# Allegro board 8880F5-0825_4.brd (continued)
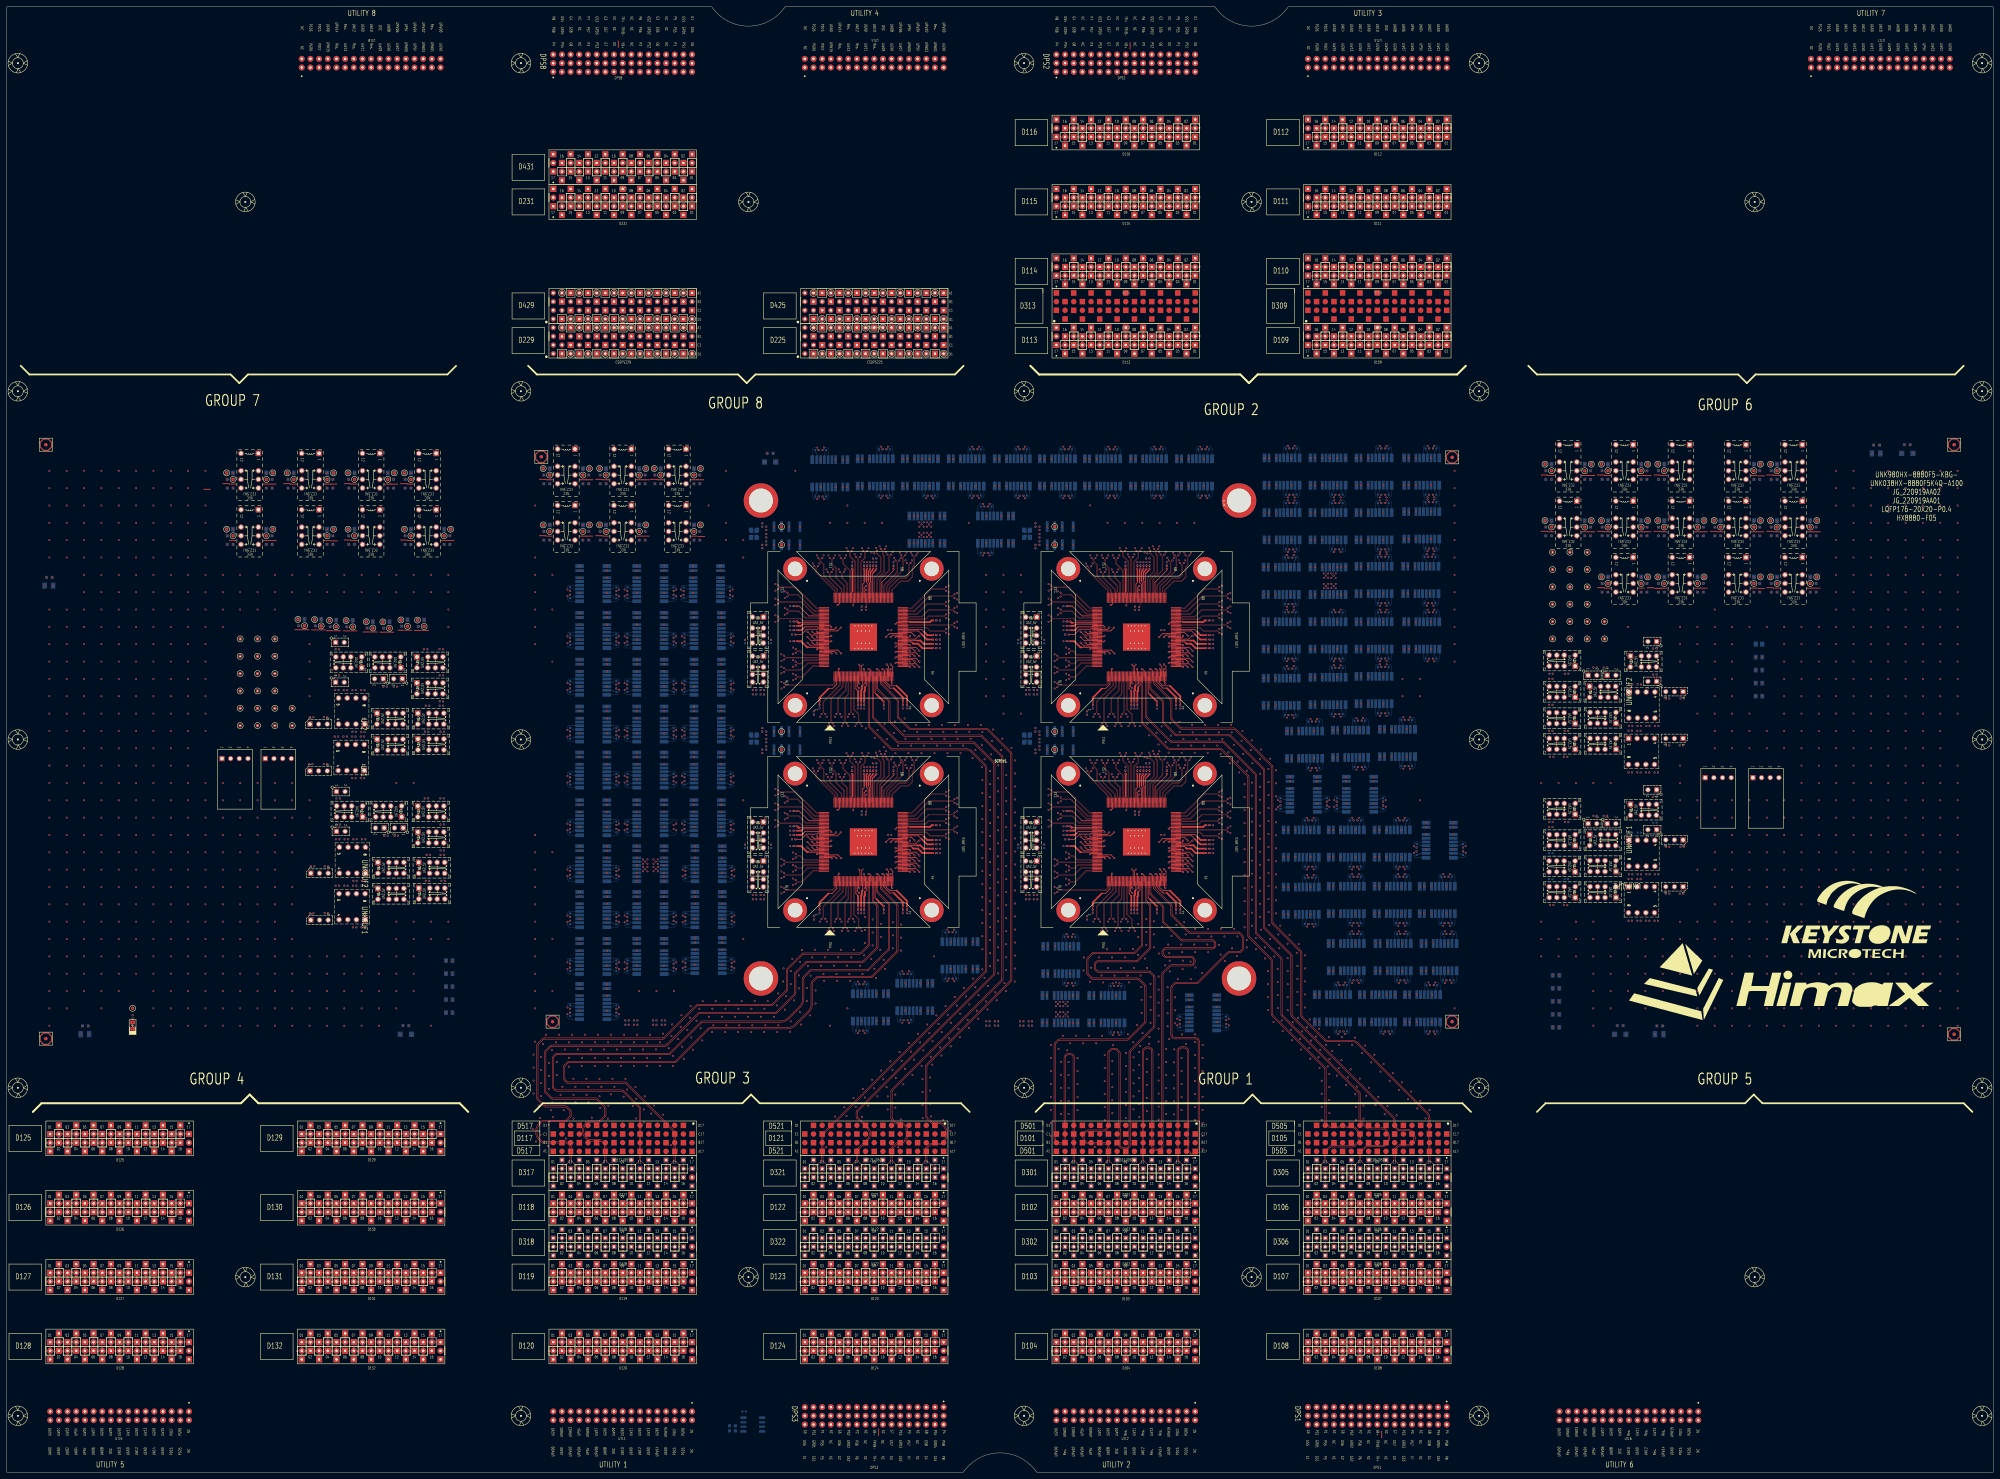
[diagram p0: board, top side]
## Routing (per net, layer and track width the routed paths; a pad name or vN(x,y) marks a point on that pad's centre or on a via; arc(x,y) is an arc through that point) (continued)
12.7,99.87 ; D125.B1 12.7,98.25 ; 386.08,349.71 D110.B15 ; D110.B15 386.08,351.33 ; D110.B15 386.89,350.52 ; D110.B15 385.27,350.52 ; 197.31,60.96 D119.B16 ; D119.B16 198.93,60.96 ; D119.B16 198.12,61.77 ; D119.B16 198.12,60.15 ; 392.99,66.04 D306.A6 ; D306.A6 393.7,65.33 ; D306.A6 393.7,66.75 ; D306.A6 394.41,66.04 ; D114.B9 328.47,350.52 ; D114.B9 327.66,351.33 ; D114.B9 327.66,349.71 ; D114.B9 326.85,350.52 ; 334.47,76.2 D102.A12 ; D102.A12 335.28,75.39 ; D102.A12 336.09,76.2 ; D102.A12 335.28,77.01 ; 312.42,414.48 DPS2.A15 ; DPS2.A15 312.42,416.1 ; DPS2.A15 313.23,415.29 ; DPS2.A15 311.61,415.29 ; 253.19,33.02 D124.A9 ; D124.A9 254,32.21 ; D124.A9 254.81,33.02 ; D124.A9 254,33.83 ; 387.81,81.28 D106.B4 ; D106.B4 389.43,81.28 ; D106.B4 388.62,82.09 ; D106.B4 388.62,80.47 ; 105.87,73.66 D130.A9 ; D130.A9 106.68,74.47 ; D130.A9 107.49,73.66 ; D130.A9 106.68,72.85 ; 391.16,13.16 DPS1.A05 ; DPS1.A05 390.35,13.97 ; DPS1.A05 391.16,14.78 ; DPS1.A05 391.97,13.97 ; CSDPS229.C1 201.47,330.2 ; CSDPS229.C1 199.85,330.2 ; CSDPS229.C1 200.66,331.01 ; CSDPS229.C1 200.66,329.39 ; 385.27,78.74 D106.B3 ; D106.B3 386.08,79.55 ; D106.B3 386.89,78.74 ; D106.B3 386.08,77.93 ; 190.5,370.03 D231.B5 ; D231.B5 189.69,370.84 ; D231.B5 191.31,370.84 ; D231.B5 190.5,371.65 ; SITE2.G10 331.81,247.93 ; SITE2.G10 330.85,247.93 ; SITE2.G10 331.33,247.45 ; SITE2.G10 331.33,248.41 ; 337.82,414.48 DPS2.A05 ; DPS2.A05 337.01,415.29 ; DPS2.A05 337.82,416.1 ; DPS2.A05 338.63,415.29 ; 337.01,410.21 DPS2.C05 ; DPS2.C05 337.82,409.4 ; DPS2.C05 337.82,411.02 ; DPS2.C05 338.63,410.21 ; 331.33,240.85 SITE2.G4 ; SITE2.G4 331.33,241.81 ; SITE2.G4 330.85,241.33 ; SITE2.G4 331.81,241.33 ; 165.1,329.39 CSDPS229.C15 ; CSDPS229.C15 165.1,331.01 ; CSDPS229.C15 164.29,330.2 ; CSDPS229.C15 165.91,330.2 ; 43.18,37.29 D128.B13 ; D128.B13 43.99,38.1 ; D128.B13 42.37,38.1 ; D128.B13 43.18,38.91 ; D128.B1 13.51,38.1 ; D128.B1 12.7,38.91 ; D128.B1 12.7,37.29 ; D128.B1 11.89,38.1 ; D132.B2 89.71,40.64 ; D132.B2 88.9,39.83 ; D132.B2 88.9,41.45 ; D132.B2 88.09,40.64 ; 337.82,67.87 D302.B13 ; D302.B13 338.53,68.58 ; D302.B13 337.11,68.58 ; D302.B13 337.82,69.29 ; D107.A16 419.1,56.69 ; D107.A16 419.1,55.07 ; D107.A16 418.29,55.88 ; D107.A16 419.91,55.88 ; D317.B12 188.67,91.44 ; D317.B12 187.96,92.15 ; D317.B12 187.25,91.44 ; D317.B12 187.96,90.73 ; D103.A14 341.17,55.88 ; D103.A14 340.36,56.69 ; D103.A14 339.55,55.88 ; D103.A14 340.36,55.07 ; D132.B3 92.25,38.1 ; D132.B3 90.63,38.1 ; D132.B3 91.44,38.91 ; D132.B3 91.44,37.29 ; D321.B1 233.68,89.61 ; D321.B1 233.68,88.19 ; D321.B1 234.39,88.9 ; D321.B1 232.97,88.9 ; D301.B4 314.96,92.15 ; D301.B4 314.96,90.73 ; D301.B4 314.25,91.44 ; D301.B4 315.67,91.44 ; 240.59,71.12 D322.B4 ; D322.B4 241.3,70.41 ; D322.B4 242.01,71.12 ; D322.B4 241.3,71.83 ; 390.35,78.74 D106.B5 ; D106.B5 391.16,77.93 ; D106.B5 391.97,78.74 ; D106.B5 391.16,79.55 ; 250.23,185.95 SITE3.G18 ; SITE3.G18 250.71,186.43 ; SITE3.G18 249.75,186.43 ; SITE3.G18 250.23,186.91 ; D106.B16 419.1,82.09 ; D106.B16 419.1,80.47 ; D106.B16 419.91,81.28 ; D106.B16 418.29,81.28 ; D122.A15 269.24,74.47 ; D122.A15 270.05,73.66 ; D122.A15 269.24,72.85 ; D122.A15 268.43,73.66 ; 180.34,83.11 D317.A9 ; D317.A9 180.34,84.53 ; D317.A9 181.05,83.82 ; D317.A9 179.63,83.82 ; D122.B3 239.57,78.74 ; D122.B3 237.95,78.74 ; D122.B3 238.76,77.93 ; D122.B3 238.76,79.55 ; D130.B2 88.9,82.09 ; D130.B2 89.71,81.28 ; D130.B2 88.9,80.47 ; D130.B2 88.09,81.28 ; 259.08,32.21 D124.A11 ; D124.A11 259.08,33.83 ; D124.A11 259.89,33.02 ; D124.A11 258.27,33.02 ; D116.A3 342.9,397.05 ; D116.A3 343.71,396.24 ; D116.A3 342.09,396.24 ; D116.A3 342.9,395.43 ; D120.A6 172.72,36.37 ; D120.A6 171.91,35.56 ; D120.A6 172.72,34.75 ; D120.A6 173.53,35.56 ; SITE3.G6 253.81,181.33 ; SITE3.G6 253.33,181.81 ; SITE3.G6 252.85,181.33 ; SITE3.G6 253.33,180.85 ; D112.B16 384.35,388.62 ; D112.B16 383.54,387.81 ; D112.B16 382.73,388.62 ; D112.B16 383.54,389.43 ; CSDPS225.B12 246.38,333.55 ; CSDPS225.B12 246.38,331.93 ; CSDPS225.B12 247.19,332.74 ; CSDPS225.B12 245.57,332.74 ; 311.61,73.66 D102.A3 ; D102.A3 312.42,72.85 ; D102.A3 312.42,74.47 ; D102.A3 313.23,73.66 ; 45.72,95.71 D125.A14 ; D125.A14 45.72,97.33 ; D125.A14 46.53,96.52 ; D125.A14 44.91,96.52 ; 320.04,70.41 D302.B6 ; D302.B6 320.04,71.83 ; D302.B6 320.75,71.12 ; D302.B6 319.33,71.12 ; D108.A6 394.51,35.56 ; D108.A6 393.7,36.37 ; D108.A6 393.7,34.75 ; D108.A6 392.89,35.56 ; 161.75,368.3 D231.B16 ; D231.B16 162.56,367.49 ; D231.B16 162.56,369.11 ; D231.B16 163.37,368.3 ; D106.A1 381.81,73.66 ; D106.A1 381,72.85 ; D106.A1 380.19,73.66 ; D106.A1 381,74.47 ; SITE1.G8 249.33,248.41 ; SITE1.G8 249.33,247.45 ; SITE1.G8 248.85,247.93 ; SITE1.G8 249.81,247.93 ; D112.A12 394.51,393.7 ; D112.A12 393.7,392.89 ; D112.A12 393.7,394.51 ; D112.A12 392.89,393.7 ; D132.B16 125.27,40.64 ; D132.B16 124.46,39.83 ; D132.B16 123.65,40.64 ; D132.B16 124.46,41.45 ; D126.A13 43.99,73.66 ; D126.A13 42.37,73.66 ; D126.A13 43.18,74.47 ; D126.A13 43.18,72.85 ; 179.53,58.42 D119.B9 ; D119.B9 181.15,58.42 ; D119.B9 180.34,57.61 ; D119.B9 180.34,59.23 ; D305.A16 419.81,86.36 ; D305.A16 418.39,86.36 ; D305.A16 419.1,87.07 ; D305.A16 419.1,85.65 ; CSDPS425.B4 266.7,343.71 ; CSDPS425.B4 267.51,342.9 ; CSDPS425.B4 266.7,342.09 ; CSDPS425.B4 265.89,342.9 ; 260.91,86.36 D321.A12 ; D321.A12 261.62,85.65 ; D321.A12 261.62,87.07 ; D321.A12 262.33,86.36 ; DPS3.A11 259.89,13.97 ; DPS3.A11 259.08,14.78 ; DPS3.A11 258.27,13.97 ; DPS3.A11 259.08,13.16 ; 161.75,60.96 D119.B2 ; D119.B2 162.56,60.15 ; D119.B2 163.37,60.96 ; D119.B2 162.56,61.77 ; 329.33,180.85 SITE4.G2 ; SITE4.G2 328.85,181.33 ; SITE4.G2 329.33,181.81 ; SITE4.G2 329.81,181.33 ; D110.A9 402.13,355.6 ; D110.A9 401.32,354.79 ; D110.A9 400.51,355.6 ; D110.A9 401.32,356.41 ; D108.B2 383.54,41.45 ; D108.B2 384.35,40.64 ; D108.B2 382.73,40.64 ; D108.B2 383.54,39.83 ; 162.56,372.57 D231.A16 ; D231.A16 163.37,373.38 ; D231.A16 161.75,373.38 ; D231.A16 162.56,374.19 ; 171.91,76.2 D118.A6 ; D118.A6 172.72,75.39 ; D118.A6 172.72,77.01 ; D118.A6 173.53,76.2 ; D125.B5 22.86,99.87 ; D125.B5 22.86,98.25 ; D125.B5 23.67,99.06 ; D125.B5 22.05,99.06 ; 322.58,375.11 D115.A11 ; D115.A11 322.58,376.73 ; D115.A11 323.39,375.92 ; D115.A11 321.77,375.92 ; D301.A1 307.34,84.53 ; D301.A1 308.05,83.82 ; D301.A1 307.34,83.11 ; D301.A1 306.63,83.82 ; D102.B15 343.71,78.74 ; D102.B15 342.9,77.93 ; D102.B15 342.9,79.55 ; D102.B15 342.09,78.74 ; 332.74,32.21 D104.A11 ; D104.A11 333.55,33.02 ; D104.A11 331.93,33.02 ; D104.A11 332.74,33.83 ; 246.38,39.83 D124.B6 ; D124.B6 245.57,40.64 ; D124.B6 246.38,41.45 ; D124.B6 247.19,40.64 ; 121.11,58.42 D131.B15 ; D131.B15 121.92,57.61 ; D131.B15 121.92,59.23 ; D131.B15 122.73,58.42 ; 182.07,81.28 D118.B10 ; D118.B10 182.88,80.47 ; D118.B10 183.69,81.28 ; D118.B10 182.88,82.09 ; 246.38,55.07 D123.A6 ; D123.A6 245.57,55.88 ; D123.A6 247.19,55.88 ; D123.A6 246.38,56.69 ; D322.B16 272.49,71.12 ; D322.B16 271.78,70.41 ; D322.B16 271.07,71.12 ; D322.B16 271.78,71.83 ; D107.A13 411.48,54.15 ; D107.A13 412.29,53.34 ; D107.A13 410.67,53.34 ; D107.A13 411.48,52.53 ; D108.B11 407.21,38.1 ; D108.B11 406.4,37.29 ; D108.B11 406.4,38.91 ; D108.B11 405.59,38.1 ; 271.78,55.07 D123.A16 ; D123.A16 270.97,55.88 ; D123.A16 272.59,55.88 ; D123.A16 271.78,56.69 ; D112.B10 399.59,388.62 ; D112.B10 398.78,389.43 ; D112.B10 398.78,387.81 ; D112.B10 397.97,388.62 ; 48.26,52.53 D127.A15 ; D127.A15 47.45,53.34 ; D127.A15 48.26,54.15 ; D127.A15 49.07,53.34 ; D431.B4 193.04,379.27 ; D431.B4 192.23,378.46 ; D431.B4 193.04,377.65 ; D431.B4 193.85,378.46 ; D129.A7 102.41,93.98 ; D129.A7 100.79,93.98 ; D129.A7 101.6,93.17 ; D129.A7 101.6,94.79 ; 416.56,52.53 D107.A15 ; D107.A15 417.37,53.34 ; D107.A15 415.75,53.34 ; D107.A15 416.56,54.15 ; 309.07,55.88 D103.A2 ; D103.A2 310.69,55.88 ; D103.A2 309.88,56.69 ; D103.A2 309.88,55.07 ; 420.83,391.16 D112.B1 ; D112.B1 422.45,391.16 ; D112.B1 421.64,390.35 ; D112.B1 421.64,391.97 ; 385.27,330.2 D109.B15 ; D109.B15 386.08,331.01 ; D109.B15 386.89,330.2 ; D109.B15 386.08,329.39 ; D102.A5 318.31,73.66 ; D102.A5 317.5,74.47 ; D102.A5 316.69,73.66 ; D102.A5 317.5,72.85 ; CSDPS225.B4 267.51,332.74 ; CSDPS225.B4 265.89,332.74 ; CSDPS225.B4 266.7,331.93 ; CSDPS225.B4 266.7,333.55 ; D122.A4 242.11,76.2 ; D122.A4 241.3,75.39 ; D122.A4 240.49,76.2 ; D122.A4 241.3,77.01 ; 387.81,35.56 D108.A4 ; D108.A4 389.43,35.56 ; D108.A4 388.62,36.37 ; D108.A4 388.62,34.75 ; 47.45,73.66 D126.A15 ; D126.A15 49.07,73.66 ; D126.A15 48.26,74.47 ; D126.A15 48.26,72.85 ; 176.99,368.3 D231.B10 ; D231.B10 177.8,369.11 ; D231.B10 177.8,367.49 ; D231.B10 178.61,368.3 ; D120.A8 177.8,36.37 ; D120.A8 176.99,35.56 ; D120.A8 178.61,35.56 ; D120.A8 177.8,34.75 ; 329.39,388.62 D116.B8 ; D116.B8 330.2,387.81 ; D116.B8 331.01,388.62 ; D116.B8 330.2,389.43 ; D102.A1 307.34,74.47 ; D102.A1 306.53,73.66 ; D102.A1 307.34,72.85 ; D102.A1 308.15,73.66 ; D125.B9 33.83,99.06 ; D125.B9 32.21,99.06 ; D125.B9 33.02,99.87 ; D125.B9 33.02,98.25 ; CSDPS225.C9 254,331.01 ; CSDPS225.C9 253.19,330.2 ; CSDPS225.C9 254,329.39 ; CSDPS225.C9 254.81,330.2 ; 96.1,205.54 U1.4 ; U1.4 97.04,206.48 ; U1.4 97.04,204.6 ; U1.4 97.98,205.54 ; 335.28,387.81 D116.B6 ; D116.B6 334.47,388.62 ; D116.B6 336.09,388.62 ; D116.B6 335.28,389.43 ; 111.76,77.93 D130.B11 ; D130.B11 110.95,78.74 ; D130.B11 111.76,79.55 ; D130.B11 112.57,78.74 ; 328.85,241.33 SITE2.G2 ; SITE2.G2 329.81,241.33 ; SITE2.G2 329.33,241.81 ; SITE2.G2 329.33,240.85 ; D231.B15 165.1,371.65 ; D231.B15 165.91,370.84 ; D231.B15 165.1,370.03 ; D231.B15 164.29,370.84 ; D120.A14 193.85,35.56 ; D120.A14 193.04,36.37 ; D120.A14 192.23,35.56 ; D120.A14 193.04,34.75 ; D126.B1 12.7,79.55 ; D126.B1 13.51,78.74 ; D126.B1 12.7,77.93 ; D126.B1 11.89,78.74 ; D322.A10 256.54,66.75 ; D322.A10 255.83,66.04 ; D322.A10 256.54,65.33 ; D322.A10 257.25,66.04 ; D109.A2 419.91,332.74 ; D109.A2 418.29,332.74 ; D109.A2 419.1,333.55 ; D109.A2 419.1,331.93 ; 232.87,58.42 D123.B1 ; D123.B1 234.49,58.42 ; D123.B1 233.68,59.23 ; D123.B1 233.68,57.61 ; 406.4,88.19 D305.B11 ; D305.B11 407.11,88.9 ; D305.B11 406.4,89.61 ; D305.B11 405.69,88.9 ; 241.3,90.73 D321.B4 ; D321.B4 241.3,92.15 ; D321.B4 240.59,91.44 ; D321.B4 242.01,91.44 ; D103.B2 309.88,61.77 ; D103.B2 309.07,60.96 ; D103.B2 309.88,60.15 ; D103.B2 310.69,60.96 ; D122.B2 237.03,81.28 ; D122.B2 235.41,81.28 ; D122.B2 236.22,80.47 ; D122.B2 236.22,82.09 ; D318.A11 185.42,64.21 ; D318.A11 184.71,63.5 ; D318.A11 185.42,62.79 ; D318.A11 186.13,63.5 ; SITE1.G16 253.11,242.83 ; SITE1.G16 252.15,242.83 ; SITE1.G16 252.63,242.35 ; SITE1.G16 252.63,243.31 ; 248.21,63.5 D322.A7 ; D322.A7 248.92,62.79 ; D322.A7 248.92,64.21 ; D322.A7 249.63,63.5 ; 189.69,58.42 D119.B13 ; D119.B13 190.5,57.61 ; D119.B13 191.31,58.42 ; D119.B13 190.5,59.23 ; 194.87,68.58 D318.B15 ; D318.B15 196.29,68.58 ; D318.B15 195.58,67.87 ; D318.B15 195.58,69.29 ; 162.56,70.41 D318.B2 ; D318.B2 163.27,71.12 ; D318.B2 161.85,71.12 ; D318.B2 162.56,71.83 ; D108.A12 408.94,36.37 ; D108.A12 408.94,34.75 ; D108.A12 409.75,35.56 ; D108.A12 408.13,35.56 ; 337.01,350.52 D114.B5 ; D114.B5 337.82,349.71 ; D114.B5 337.82,351.33 ; D114.B5 338.63,350.52 ; 177.8,80.47 D118.B8 ; D118.B8 178.61,81.28 ; D118.B8 177.8,82.09 ; D118.B8 176.99,81.28 ; D119.A10 182.88,56.69 ; D119.A10 183.69,55.88 ; D119.A10 182.88,55.07 ; D119.A10 182.07,55.88 ; 337.01,391.16 D116.B5 ; D116.B5 337.82,390.35 ; D116.B5 338.63,391.16 ; D116.B5 337.82,391.97 ; 400.61,83.82 D305.A9 ; D305.A9 401.32,84.53 ; D305.A9 402.03,83.82 ; D305.A9 401.32,83.11 ; 251.46,331.93 CSDPS225.B10 ; CSDPS225.B10 250.65,332.74 ; CSDPS225.B10 251.46,333.55 ; CSDPS225.B10 252.27,332.74 ; D108.A10 403.86,36.37 ; D108.A10 404.67,35.56 ; D108.A10 403.86,34.75 ; D108.A10 403.05,35.56 ; 248.21,88.9 D321.B7 ; D321.B7 248.92,89.61 ; D321.B7 249.63,88.9 ; D321.B7 248.92,88.19 ; D104.A7 323.39,33.02 ; D104.A7 322.58,32.21 ; D104.A7 321.77,33.02 ; D104.A7 322.58,33.83 ; 184.61,340.36 CSDPS429.C7 ; CSDPS429.C7 185.42,341.17 ; CSDPS429.C7 185.42,339.55 ; CSDPS429.C7 186.23,340.36 ; D109.B3 417.37,330.2 ; D109.B3 416.56,329.39 ; D109.B3 415.75,330.2 ; D109.B3 416.56,331.01 ; 406.4,77.93 D106.B11 ; D106.B11 405.59,78.74 ; D106.B11 407.21,78.74 ; D106.B11 406.4,79.55 ; D306.B3 386.79,68.58 ; D306.B3 386.08,67.87 ; D306.B3 386.08,69.29 ; D306.B3 385.37,68.58 ; 415.75,375.92 D111.A3 ; D111.A3 416.56,376.73 ; D111.A3 417.37,375.92 ; D111.A3 416.56,375.11 ; D129.B14 119.38,102.41 ; D129.B14 118.57,101.6 ; D129.B14 119.38,100.79 ; D129.B14 120.19,101.6 ; 406.4,62.79 D306.A11 ; D306.A11 407.11,63.5 ; D306.A11 405.69,63.5 ; D306.A11 406.4,64.21 ; D321.A4 242.01,86.36 ; D321.A4 241.3,85.65 ; D321.A4 240.59,86.36 ; D321.A4 241.3,87.07 ; 182.07,40.64 D120.B10 ; D120.B10 182.88,41.45 ; D120.B10 183.69,40.64 ; D120.B10 182.88,39.83 ; 482.59,227.61 UNK2U1.4 ; UNK2U1.4 482.59,229.49 ; UNK2U1.4 483.53,228.55 ; UNK2U1.4 481.65,228.55 ; D118.A1 160.02,74.47 ; D118.A1 159.21,73.66 ; D118.A1 160.83,73.66 ; D118.A1 160.02,72.85 ; 391.16,32.21 D108.A5 ; D108.A5 391.97,33.02 ; D108.A5 390.35,33.02 ; D108.A5 391.16,33.83 ; 319.23,55.88 D103.A6 ; D103.A6 320.04,56.69 ; D103.A6 320.04,55.07 ; D103.A6 320.85,55.88 ; D102.A15 343.71,73.66 ; D102.A15 342.9,72.85 ; D102.A15 342.9,74.47 ; D102.A15 342.09,73.66 ; D321.B12 261.62,92.15 ; D321.B12 262.33,91.44 ; D321.B12 261.62,90.73 ; D321.B12 260.91,91.44 ; 22.86,77.93 D126.B5 ; D126.B5 22.05,78.74 ; D126.B5 23.67,78.74 ; D126.B5 22.86,79.55 ; 317.5,334.47 D113.A13 ; D113.A13 317.5,336.09 ; D113.A13 316.69,335.28 ; D113.A13 318.31,335.28 ; D110.A13 391.97,355.6 ; D110.A13 390.35,355.6 ; D110.A13 391.16,356.41 ; D110.A13 391.16,354.79 ; 116.03,93.98 D129.A13 ; D129.A13 117.65,93.98 ; D129.A13 116.84,93.17 ; D129.A13 116.84,94.79 ; 248.11,38.1 D124.B7 ; D124.B7 249.73,38.1 ; D124.B7 248.92,37.29 ; D124.B7 248.92,38.91 ; D127.B11 38.1,59.23 ; D127.B11 38.1,57.61 ; D127.B11 38.91,58.42 ; D127.B11 37.29,58.42 ; 259.08,37.29 D124.B11 ; D124.B11 258.27,38.1 ; D124.B11 259.89,38.1 ; D124.B11 259.08,38.91 ; 330.2,352.25 D114.A8 ; D114.A8 331.01,353.06 ; D114.A8 330.2,353.87 ; D114.A8 329.39,353.06 ; D132.A12 115.11,35.56 ; D132.A12 114.3,36.37 ; D132.A12 113.49,35.56 ; D132.A12 114.3,34.75 ; 253.29,88.9 D321.B9 ; D321.B9 254,88.19 ; D321.B9 254.71,88.9 ; D321.B9 254,89.61 ; 258.27,19.05 DPS3.C11 ; DPS3.C11 259.08,18.24 ; DPS3.C11 259.89,19.05 ; DPS3.C11 259.08,19.86 ; D106.B12 408.94,82.09 ; D106.B12 408.13,81.28 ; D106.B12 409.75,81.28 ; D106.B12 408.94,80.47 ; 190.5,88.19 D317.B13 ; D317.B13 189.79,88.9 ; D317.B13 191.21,88.9 ; D317.B13 190.5,89.61 ; 331.93,73.66 D102.A11 ; D102.A11 332.74,74.47 ; D102.A11 332.74,72.85 ; D102.A11 333.55,73.66 ; D107.B4 389.43,60.96 ; D107.B4 387.81,60.96 ; D107.B4 388.62,60.15 ; D107.B4 388.62,61.77 ; 398.78,326.85 D109.B10 ; D109.B10 398.78,328.47 ; D109.B10 399.59,327.66 ; D109.B10 397.97,327.66 ; D317.B7 175.97,88.9 ; D317.B7 174.55,88.9 ; D317.B7 175.26,88.19 ; D317.B7 175.26,89.61 ; D116.A12 320.04,394.51 ; D116.A12 320.85,393.7 ; D116.A12 320.04,392.89 ; D116.A12 319.23,393.7 ; D318.A15 196.29,63.5 ; D318.A15 195.58,64.21 ; D318.A15 194.87,63.5 ; D318.A15 195.58,62.79 ; CSDPS225.C1 275.13,330.2 ; CSDPS225.C1 274.32,329.39 ; CSDPS225.C1 273.51,330.2 ; CSDPS225.C1 274.32,331.01 ; D231.B4 193.85,368.3 ; D231.B4 193.04,367.49 ; D231.B4 193.04,369.11 ; D231.B4 192.23,368.3 ; 193.04,75.39 D118.A14 ; D118.A14 193.85,76.2 ; D118.A14 192.23,76.2 ; D118.A14 193.04,77.01 ; 327.66,375.11 D115.A9 ; D115.A9 327.66,376.73 ; D115.A9 328.47,375.92 ; D115.A9 326.85,375.92 ; D115.B14 314.96,369.11 ; D115.B14 315.77,368.3 ; D115.B14 314.15,368.3 ; D115.B14 314.96,367.49 ; D321.B8 251.46,92.15 ; D321.B8 252.17,91.44 ; D321.B8 251.46,90.73 ; D321.B8 250.75,91.44 ; D108.A7 396.24,33.83 ; D108.A7 395.43,33.02 ; D108.A7 397.05,33.02 ; D108.A7 396.24,32.21 ; 259.08,62.79 D322.A11 ; D322.A11 259.79,63.5 ; D322.A11 259.08,64.21 ; D322.A11 258.37,63.5 ; 45.72,80.47 D126.B14 ; D126.B14 44.91,81.28 ; D126.B14 45.72,82.09 ; D126.B14 46.53,81.28 ; 482.49,214 UNK2U2.4 ; UNK2U2.4 481.55,214.94 ; UNK2U2.4 483.43,214.94 ; UNK2U2.4 482.49,215.88 ; D317.A8 177.8,87.07 ; D317.A8 177.8,85.65 ; D317.A8 177.09,86.36 ; D317.A8 178.51,86.36 ; 321.77,391.16 D116.B11 ; D116.B11 323.39,391.16 ; D116.B11 322.58,391.97 ; D116.B11 322.58,390.35 ; D132.B12 114.3,41.45 ; D132.B12 115.11,40.64 ; D132.B12 113.49,40.64 ; D132.B12 114.3,39.83 ; 397.97,373.38 D111.A10 ; D111.A10 398.78,374.19 ; D111.A10 399.59,373.38 ; D111.A10 398.78,372.57 ; D122.A1 233.68,74.47 ; D122.A1 233.68,72.85 ; D122.A1 234.49,73.66 ; D122.A1 232.87,73.66 ; D306.B6 393.7,71.83 ; D306.B6 394.41,71.12 ; D306.B6 392.99,71.12 ; D306.B6 393.7,70.41 ; 174.45,78.74 D118.B7 ; D118.B7 175.26,77.93 ; D118.B7 175.26,79.55 ; D118.B7 176.07,78.74 ; D107.B10 403.86,61.77 ; D107.B10 403.86,60.15 ; D107.B10 403.05,60.96 ; D107.B10 404.67,60.96 ; 413.21,353.06 D110.A4 ; D110.A4 414.02,353.87 ; D110.A4 414.02,352.25 ; D110.A4 414.83,353.06 ; 309.07,388.62 D116.B16 ; D116.B16 310.69,388.62 ; D116.B16 309.88,389.43 ; D116.B16 309.88,387.81 ; D106.A12 408.94,77.01 ; D106.A12 408.13,76.2 ; D106.A12 409.75,76.2 ; D106.A12 408.94,75.39 ; D106.B13 411.48,79.55 ; D106.B13 411.48,77.93 ; D106.B13 412.29,78.74 ; D106.B13 410.67,78.74 ; D301.A15 343.61,83.82 ; D301.A15 342.9,84.53 ; D301.A15 342.19,83.82 ; D301.A15 342.9,83.11 ; 330.33,247.45 SITE2.G9 ; SITE2.G9 330.81,247.93 ; SITE2.G9 330.33,248.41 ; SITE2.G9 329.85,247.93 ; D120.B15 196.39,38.1 ; D120.B15 195.58,37.29 ; D120.B15 195.58,38.91 ; D120.B15 194.77,38.1 ; D321.A8 252.17,86.36 ; D321.A8 251.46,87.07 ; D321.A8 251.46,85.65 ; D321.A8 250.75,86.36 ; D126.A3 17.78,74.47 ; D126.A3 17.78,72.85 ; D126.A3 18.59,73.66 ; D126.A3 16.97,73.66 ; D305.B1 381.71,88.9 ; D305.B1 381,88.19 ; D305.B1 380.29,88.9 ; D305.B1 381,89.61 ; 406.4,390.35 D112.B7 ; D112.B7 405.59,391.16 ; D112.B7 407.21,391.16 ; D112.B7 406.4,391.97 ; D107.A3 386.89,53.34 ; D107.A3 386.08,52.53 ; D107.A3 385.27,53.34 ; D107.A3 386.08,54.15 ; D107.A6 393.7,56.69 ; D107.A6 392.89,55.88 ; D107.A6 393.7,55.07 ; D107.A6 394.51,55.88 ; D125.A15 49.07,93.98 ; D125.A15 47.45,93.98 ; D125.A15 48.26,94.79 ; D125.A15 48.26,93.17 ; 27.13,53.34 D127.A7 ; D127.A7 27.94,52.53 ; D127.A7 28.75,53.34 ; D127.A7 27.94,54.15 ; 342.09,391.16 D116.B3 ; D116.B3 342.9,390.35 ; D116.B3 343.71,391.16 ; D116.B3 342.9,391.97 ; 330.23,182.35 SITE4.G14 ; SITE4.G14 330.23,183.31 ; SITE4.G14 329.75,182.83 ; SITE4.G14 330.71,182.83 ; D321.A7 248.92,84.53 ; D321.A7 248.92,83.11 ; D321.A7 249.63,83.82 ; D321.A7 248.21,83.82 ; D120.A11 186.23,33.02 ; D120.A11 185.42,33.83 ; D120.A11 185.42,32.21 ; D120.A11 184.61,33.02 ; 386.08,395.43 D112.A15 ; D112.A15 386.08,397.05 ; D112.A15 385.27,396.24 ; D112.A15 386.89,396.24 ; 403.05,353.06 D110.A8 ; D110.A8 403.86,353.87 ; D110.A8 404.67,353.06 ; D110.A8 403.86,352.25 ; D321.B6 247.09,91.44 ; D321.B6 245.67,91.44 ; D321.B6 246.38,90.73 ; D321.B6 246.38,92.15 ; D317.A1 160.73,83.82 ; D317.A1 160.02,83.11 ; D317.A1 160.02,84.53 ; D317.A1 159.31,83.82 ; D132.B15 122.73,38.1 ; D132.B15 121.92,37.29 ; D132.B15 121.11,38.1 ; D132.B15 121.92,38.91 ; 408.94,367.49 D111.B6 ; D111.B6 408.13,368.3 ; D111.B6 408.94,369.11 ; D111.B6 409.75,368.3 ; SITE3.G19 251.91,186.43 ; SITE3.G19 251.43,185.95 ; SITE3.G19 250.95,186.43 ; SITE3.G19 251.43,186.91 ; D109.A9 401.32,336.09 ; D109.A9 400.51,335.28 ; D109.A9 401.32,334.47 ; D109.A9 402.13,335.28 ; D114.A3 343.71,355.6 ; D114.A3 342.9,356.41 ; D114.A3 342.9,354.79 ; D114.A3 342.09,355.6 ; D431.A4 193.85,383.54 ; D431.A4 193.04,382.73 ; D431.A4 193.04,384.35 ; D431.A4 192.23,383.54 ; D111.B9 401.32,371.65 ; D111.B9 402.13,370.84 ; D111.B9 401.32,370.03 ; D111.B9 400.51,370.84 ; 268.43,53.34 D123.A15 ; D123.A15 270.05,53.34 ; D123.A15 269.24,54.15 ; D123.A15 269.24,52.53 ; 190.5,414.48 DPS8.A05 ; DPS8.A05 190.5,416.1 ; DPS8.A05 191.31,415.29 ; DPS8.A05 189.69,415.29 ; 27.94,93.17 D125.A7 ; D125.A7 28.75,93.98 ; D125.A7 27.13,93.98 ; D125.A7 27.94,94.79 ; D431.A10 177.8,384.35 ; D431.A10 178.61,383.54 ; D431.A10 176.99,383.54 ; D431.A10 177.8,382.73 ; 184.61,38.1 D120.B11 ; D120.B11 186.23,38.1 ; D120.B11 185.42,37.29 ; D120.B11 185.42,38.91 ; 416.56,354.79 D110.A3 ; D110.A3 416.56,356.41 ; D110.A3 415.75,355.6 ; D110.A3 417.37,355.6 ; 165.1,409.4 DPS8.C15 ; DPS8.C15 164.29,410.21 ; DPS8.C15 165.91,410.21 ; DPS8.C15 165.1,411.02 ; 390.35,330.2 D109.B13 ; D109.B13 391.16,329.39 ; D109.B13 391.97,330.2 ; D109.B13 391.16,331.01 ; 339.55,353.06 D114.A4 ; D114.A4 341.17,353.06 ; D114.A4 340.36,352.25 ; D114.A4 340.36,353.87 ; 93.98,34.75 D132.A4 ; D132.A4 93.98,36.37 ; D132.A4 93.17,35.56 ; D132.A4 94.79,35.56 ; CSDPS229.B8 183.69,332.74 ; CSDPS229.B8 182.07,332.74 ; CSDPS229.B8 182.88,333.55 ; CSDPS229.B8 182.88,331.93 ; D116.B13 317.5,391.97 ; D116.B13 318.31,391.16 ; D116.B13 316.69,391.16 ; D116.B13 317.5,390.35 ; D102.A4 314.96,77.01 ; D102.A4 315.77,76.2 ; D102.A4 314.15,76.2 ; D102.A4 314.96,75.39 ; D302.A10 330.91,66.04 ; D302.A10 330.2,66.75 ; D302.A10 329.49,66.04 ; D302.A10 330.2,65.33 ; 190.5,62.79 D318.A13 ; D318.A13 190.5,64.21 ; D318.A13 191.21,63.5 ; D318.A13 189.79,63.5 ; 187.96,55.07 D119.A12 ; D119.A12 188.77,55.88 ; D119.A12 187.96,56.69 ; D119.A12 187.15,55.88 ; 410.67,396.24 D112.A5 ; D112.A5 411.48,395.43 ; D112.A5 411.48,397.05 ; D112.A5 412.29,396.24 ; 414.02,372.57 D111.A4 ; D111.A4 414.83,373.38 ; D111.A4 414.02,374.19 ; D111.A4 413.21,373.38 ; 101.6,72.85 D130.A7 ; D130.A7 101.6,74.47 ; D130.A7 100.79,73.66 ; D130.A7 102.41,73.66 ; D231.A2 198.12,374.19 ; D231.A2 197.31,373.38 ; D231.A2 198.93,373.38 ; D231.A2 198.12,372.57 ; D108.B1 381.81,38.1 ; D108.B1 381,38.91 ; D108.B1 381,37.29 ; D108.B1 380.19,38.1 ; 387.81,40.64 D108.B4 ; D108.B4 388.62,39.83 ; D108.B4 389.43,40.64 ; D108.B4 388.62,41.45 ; 319.23,388.62 D116.B12 ; D116.B12 320.04,387.81 ; D116.B12 320.85,388.62 ; D116.B12 320.04,389.43 ; 330.2,372.57 D115.A8 ; D115.A8 330.2,374.19 ; D115.A8 331.01,373.38 ; D115.A8 329.39,373.38 ; 111.76,98.25 D129.B11 ; D129.B11 111.76,99.87 ; D129.B11 110.95,99.06 ; D129.B11 112.57,99.06 ; 11.89,58.42 D127.B1 ; D127.B1 13.51,58.42 ; D127.B1 12.7,59.23 ; D127.B1 12.7,57.61 ; 248.55,246.43 SITE1.G17 ; SITE1.G17 249.03,246.91 ; SITE1.G17 249.51,246.43 ; SITE1.G17 249.03,245.95 ; 108.41,81.28 D130.B10 ; D130.B10 109.22,82.09 ; D130.B10 109.22,80.47 ; D130.B10 110.03,81.28 ; D113.B2 346.25,327.66 ; D113.B2 345.44,328.47 ; D113.B2 345.44,326.85 ; D113.B2 344.63,327.66 ; 405.69,83.82 D305.A11 ; D305.A11 407.11,83.82 ; D305.A11 406.4,84.53 ; D305.A11 406.4,83.11 ; 405.59,335.28 D109.A7 ; D109.A7 407.21,335.28 ; D109.A7 406.4,334.47 ; D109.A7 406.4,336.09 ; 254,52.53 D123.A9 ; D123.A9 254,54.15 ; D123.A9 254.81,53.34 ; D123.A9 253.19,53.34 ; D102.B12 336.09,81.28 ; D102.B12 334.47,81.28 ; D102.B12 335.28,80.47 ; D102.B12 335.28,82.09 ; 328.85,247.93 SITE2.G8 ; SITE2.G8 329.81,247.93 ; SITE2.G8 329.33,248.41 ; SITE2.G8 329.33,247.45 ; 260.81,40.64 D124.B12 ; D124.B12 261.62,41.45 ; D124.B12 262.43,40.64 ; D124.B12 261.62,39.83 ; D305.B15 417.27,88.9 ; D305.B15 415.85,88.9 ; D305.B15 416.56,88.19 ; D305.B15 416.56,89.61 ; D120.A9 181.15,33.02 ; D120.A9 180.34,32.21 ; D120.A9 180.34,33.83 ; D120.A9 179.53,33.02 ; D112.B12 394.51,388.62 ; D112.B12 392.89,388.62 ; D112.B12 393.7,387.81 ; D112.B12 393.7,389.43 ; 111.76,93.17 D129.A11 ; D129.A11 111.76,94.79 ; D129.A11 112.57,93.98 ; D129.A11 110.95,93.98 ; D107.A10 404.67,55.88 ; D107.A10 403.05,55.88 ; D107.A10 403.86,55.07 ; D107.A10 403.86,56.69 ; 179.53,386.08 D431.A9 ; D431.A9 180.34,386.89 ; D431.A9 181.15,386.08 ; D431.A9 180.34,385.27 ; SITE4.G9 330.81,187.93 ; SITE4.G9 330.33,188.41 ; SITE4.G9 330.33,187.45 ; SITE4.G9 329.85,187.93 ; D125.A1 13.51,93.98 ; D125.A1 11.89,93.98 ; D125.A1 12.7,94.79 ; D125.A1 12.7,93.17 ; D318.A8 178.51,66.04 ; D318.A8 177.8,65.33 ; D318.A8 177.8,66.75 ; D318.A8 177.09,66.04 ; 192.23,81.28 D118.B14 ; D118.B14 193.85,81.28 ; D118.B14 193.04,80.47 ; D118.B14 193.04,82.09 ; 116.84,77.93 D130.B13 ; D130.B13 116.03,78.74 ; D130.B13 117.65,78.74 ; D130.B13 116.84,79.55 ; 180.34,88.19 D317.B9 ; D317.B9 181.05,88.9 ; D317.B9 180.34,89.61 ; D317.B9 179.63,88.9 ; 388.62,387.81 D112.B14 ; D112.B14 388.62,389.43 ; D112.B14 387.81,388.62 ; D112.B14 389.43,388.62 ; D115.B7 333.55,370.84 ; D115.B7 331.93,370.84 ; D115.B7 332.74,371.65 ; D115.B7 332.74,370.03 ; 270.97,332.74 CSDPS225.B2 ; CSDPS225.B2 272.59,332.74 ; CSDPS225.B2 271.78,331.93 ; CSDPS225.B2 271.78,333.55 ; D318.A6 172.72,66.75 ; D318.A6 172.72,65.33 ; D318.A6 173.43,66.04 ; D318.A6 172.01,66.04 ; 420.83,396.24 D112.A1 ; D112.A1 421.64,397.05 ; D112.A1 421.64,395.43 ; D112.A1 422.45,396.24 ; D124.A6 247.19,35.56 ; D124.A6 245.57,35.56 ; D124.A6 246.38,36.37 ; D124.A6 246.38,34.75 ; D301.B7 322.58,89.61 ; D301.B7 323.29,88.9 ; D301.B7 322.58,88.19 ; D301.B7 321.87,88.9 ; 245.57,76.2 D122.A6 ; D122.A6 246.38,77.01 ; D122.A6 246.38,75.39 ; D122.A6 247.19,76.2 ; 187.96,377.65 D431.B6 ; D431.B6 187.15,378.46 ; D431.B6 188.77,378.46 ; D431.B6 187.96,379.27 ; SITE3.G5 252.33,181.81 ; SITE3.G5 252.81,181.33 ; SITE3.G5 252.33,180.85 ; SITE3.G5 251.85,181.33 ; D132.A5 96.52,33.83 ; D132.A5 95.71,33.02 ; D132.A5 97.33,33.02 ; D132.A5 96.52,32.21 ; 314.96,85.65 D301.A4 ; D301.A4 314.25,86.36 ; D301.A4 314.96,87.07 ; D301.A4 315.67,86.36 ; 98.25,40.64 D132.B6 ; D132.B6 99.06,41.45 ; D132.B6 99.87,40.64 ; D132.B6 99.06,39.83 ; 309.07,393.7 D116.A16 ; D116.A16 310.69,393.7 ; D116.A16 309.88,392.89 ; D116.A16 309.88,394.51 ; 325.12,387.81 D116.B10 ; D116.B10 325.12,389.43 ; D116.B10 325.93,388.62 ; D116.B10 324.31,388.62 ; 235.51,86.36 D321.A2 ; D321.A2 236.93,86.36 ; D321.A2 236.22,87.07 ; D321.A2 236.22,85.65 ; 175.26,370.03 D231.B11 ; D231.B11 174.45,370.84 ; D231.B11 175.26,371.65 ; D231.B11 176.07,370.84 ; 253.29,63.5 D322.A9 ; D322.A9 254,64.21 ; D322.A9 254,62.79 ; D322.A9 254.71,63.5 ; 331.85,187.93 SITE4.G11 ; SITE4.G11 332.81,187.93 ; SITE4.G11 332.33,187.45 ; SITE4.G11 332.33,188.41 ; 324.31,55.88 D103.A8 ; D103.A8 325.93,55.88 ; D103.A8 325.12,56.69 ; D103.A8 325.12,55.07 ; D110.A12 393.7,353.87 ; D110.A12 393.7,352.25 ; D110.A12 392.89,353.06 ; D110.A12 394.51,353.06 ; 344.63,373.38 D115.A2 ; D115.A2 345.44,372.57 ; D115.A2 345.44,374.19 ; D115.A2 346.25,373.38 ; D301.B2 309.88,92.15 ; D301.B2 310.59,91.44 ; D301.B2 309.17,91.44 ; D301.B2 309.88,90.73 ; D103.A3 312.42,54.15 ; D103.A3 313.23,53.34 ; D103.A3 311.61,53.34 ; D103.A3 312.42,52.53 ; 249.85,181.33 SITE3.G3 ; SITE3.G3 250.81,181.33 ; SITE3.G3 250.33,180.85 ; SITE3.G3 250.33,181.81 ; D104.B16 345.44,41.45 ; D104.B16 345.44,39.83 ; D104.B16 346.25,40.64 ; D104.B16 344.63,40.64 ; D115.B13 317.5,371.65 ; D115.B13 316.69,370.84 ; D115.B13 318.31,370.84 ; D115.B13 317.5,370.03 ; 90.63,93.98 D129.A3 ; D129.A3 92.25,93.98 ; D129.A3 91.44,93.17 ; D129.A3 91.44,94.79 ; 165.1,32.21 D120.A3 ; D120.A3 164.29,33.02 ; D120.A3 165.1,33.83 ; D120.A3 165.91,33.02 ; D116.B7 333.55,391.16 ; D116.B7 332.74,391.97 ; D116.B7 332.74,390.35 ; D116.B7 331.93,391.16 ; D114.A16 309.88,353.87 ; D114.A16 309.88,352.25 ; D114.A16 309.07,353.06 ; D114.A16 310.69,353.06 ; CSDPS429.C5 191.31,340.36 ; CSDPS429.C5 189.69,340.36 ; CSDPS429.C5 190.5,339.55 ; CSDPS429.C5 190.5,341.17 ; D111.B10 398.78,369.11 ; D111.B10 399.59,368.3 ; D111.B10 397.97,368.3 ; D111.B10 398.78,367.49 ; 269.24,83.11 D321.A15 ; D321.A15 269.24,84.53 ; D321.A15 269.95,83.82 ; D321.A15 268.53,83.82 ; 331.85,247.93 SITE2.G11 ; SITE2.G11 332.33,247.45 ; SITE2.G11 332.33,248.41 ; SITE2.G11 332.81,247.93 ; 113.49,96.52 D129.A12 ; D129.A12 114.3,97.33 ; D129.A12 114.3,95.71 ; D129.A12 115.11,96.52 ; D123.B13 264.97,58.42 ; D123.B13 264.16,57.61 ; D123.B13 263.35,58.42 ; D123.B13 264.16,59.23 ; 245.57,81.28 D122.B6 ; D122.B6 246.38,80.47 ; D122.B6 247.19,81.28 ; D122.B6 246.38,82.09 ; D305.A3 386.08,84.53 ; D305.A3 385.37,83.82 ; D305.A3 386.08,83.11 ; D305.A3 386.79,83.82 ; 401.32,52.53 D107.A9 ; D107.A9 402.13,53.34 ; D107.A9 400.51,53.34 ; D107.A9 401.32,54.15 ; 266.7,85.65 D321.A14 ; D321.A14 265.99,86.36 ; D321.A14 267.41,86.36 ; D321.A14 266.7,87.07 ; 91.44,72.85 D130.A3 ; D130.A3 90.63,73.66 ; D130.A3 91.44,74.47 ; D130.A3 92.25,73.66 ; 241.3,55.07 D123.A4 ; D123.A4 241.3,56.69 ; D123.A4 240.49,55.88 ; D123.A4 242.11,55.88 ; SITE2.G18 330.71,246.43 ; SITE2.G18 330.23,246.91 ; SITE2.G18 330.23,245.95 ; SITE2.G18 329.75,246.43 ; D118.A9 181.15,73.66 ; D118.A9 179.53,73.66 ; D118.A9 180.34,74.47 ; D118.A9 180.34,72.85 ; 246.38,70.41 D322.B6 ; D322.B6 245.67,71.12 ; D322.B6 246.38,71.83 ; D322.B6 247.09,71.12 ; 86.36,72.85 D130.A1 ; D130.A1 87.17,73.66 ; D130.A1 86.36,74.47 ; D130.A1 85.55,73.66 ; D106.B8 398.78,82.09 ; D106.B8 398.78,80.47 ; D106.B8 397.97,81.28 ; D106.B8 399.59,81.28 ; 266.7,60.15 D123.B14 ; D123.B14 266.7,61.77 ; D123.B14 267.51,60.96 ; D123.B14 265.89,60.96 ; D109.A6 409.75,332.74 ; D109.A6 408.94,333.55 ; D109.A6 408.94,331.93 ; D109.A6 408.13,332.74 ; D126.A12 41.45,76.2 ; D126.A12 40.64,77.01 ; D126.A12 40.64,75.39 ; D126.A12 39.83,76.2 ; 398.78,39.83 D108.B8 ; D108.B8 397.97,40.64 ; D108.B8 399.59,40.64 ; D108.B8 398.78,41.45 ; D317.B16 198.12,92.15 ; D317.B16 198.12,90.73 ; D317.B16 197.41,91.44 ; D317.B16 198.83,91.44 ; D102.B14 341.17,81.28 ; D102.B14 340.36,82.09 ; D102.B14 340.36,80.47 ; D102.B14 339.55,81.28 ; 16.97,78.74 D126.B3 ; D126.B3 17.78,77.93 ; D126.B3 18.59,78.74 ; D126.B3 17.78,79.55 ; D110.B14 389.43,347.98 ; D110.B14 387.81,347.98 ; D110.B14 388.62,348.79 ; D110.B14 388.62,347.17 ; D231.B2 198.12,369.11 ; D231.B2 198.93,368.3 ; D231.B2 198.12,367.49 ; D231.B2 197.31,368.3 ; D108.B7 397.05,38.1 ; D108.B7 396.24,38.91 ; D108.B7 395.43,38.1 ; D108.B7 396.24,37.29 ; 175.26,72.85 D118.A7 ; D118.A7 175.26,74.47 ; D118.A7 174.45,73.66 ; D118.A7 176.07,73.66 ; 169.37,375.92 D231.A13 ; D231.A13 170.99,375.92 ; D231.A13 170.18,375.11 ; D231.A13 170.18,376.73 ; 169.47,63.5 D318.A5 ; D318.A5 170.89,63.5 ; D318.A5 170.18,62.79 ; D318.A5 170.18,64.21 ; D104.B4 314.96,41.45 ; D104.B4 315.77,40.64 ; D104.B4 314.15,40.64 ; D104.B4 314.96,39.83 ; D107.A4 389.43,55.88 ; D107.A4 388.62,55.07 ; D107.A4 388.62,56.69 ; D107.A4 387.81,55.88 ; 321.77,335.28 D113.A11 ; D113.A11 322.58,336.09 ; D113.A11 323.39,335.28 ; D113.A11 322.58,334.47 ; D118.A11 185.42,74.47 ; D118.A11 185.42,72.85 ; D118.A11 184.61,73.66 ; D118.A11 186.23,73.66 ; 50.8,95.71 D125.A16 ; D125.A16 50.8,97.33 ; D125.A16 51.61,96.52 ; D125.A16 49.99,96.52 ; 324.31,76.2 D102.A8 ; D102.A8 325.93,76.2 ; D102.A8 325.12,75.39 ; D102.A8 325.12,77.01 ; 259.08,329.39 CSDPS225.C7 ; CSDPS225.C7 258.27,330.2 ; CSDPS225.C7 259.08,331.01 ; CSDPS225.C7 259.89,330.2 ; 160.02,52.53 D119.A1 ; D119.A1 159.21,53.34 ; D119.A1 160.83,53.34 ; D119.A1 160.02,54.15 ; D302.B8 325.83,71.12 ; D302.B8 325.12,71.83 ; D302.B8 324.41,71.12 ; D302.B8 325.12,70.41 ; 164.29,375.92 D231.A15 ; D231.A15 165.1,376.73 ; D231.A15 165.91,375.92 ; D231.A15 165.1,375.11 ; 182.07,76.2 D118.A10 ; D118.A10 183.69,76.2 ; D118.A10 182.88,77.01 ; D118.A10 182.88,75.39 ; 260.81,35.56 D124.A12 ; D124.A12 261.62,36.37 ; D124.A12 262.43,35.56 ; D124.A12 261.62,34.75 ; 334.47,35.56 D104.A12 ; D104.A12 335.28,34.75 ; D104.A12 335.28,36.37 ; D104.A12 336.09,35.56 ; D129.B9 106.68,99.87 ; D129.B9 107.49,99.06 ; D129.B9 105.87,99.06 ; D129.B9 106.68,98.25 ; 331.43,182.35 SITE4.G15 ; SITE4.G15 331.43,183.31 ; SITE4.G15 330.95,182.83 ; SITE4.G15 331.91,182.83 ; D112.B4 414.02,389.43 ; D112.B4 413.21,388.62 ; D112.B4 414.83,388.62 ; D112.B4 414.02,387.81 ; 99.06,100.79 D129.B6 ; D129.B6 99.87,101.6 ; D129.B6 98.25,101.6 ; D129.B6 99.06,102.41 ; D103.B3 313.23,58.42 ; D103.B3 311.61,58.42 ; D103.B3 312.42,57.61 ; D103.B3 312.42,59.23 ; D115.B3 342.9,371.65 ; D115.B3 343.71,370.84 ; D115.B3 342.9,370.03 ; D115.B3 342.09,370.84 ; D128.B10 36.37,40.64 ; D128.B10 35.56,41.45 ; D128.B10 35.56,39.83 ; D128.B10 34.75,40.64 ; D114.B13 318.31,350.52 ; D114.B13 317.5,351.33 ; D114.B13 316.69,350.52 ; D114.B13 317.5,349.71 ; CSDPS425.B2 271.78,343.71 ; CSDPS425.B2 270.97,342.9 ; CSDPS425.B2 271.78,342.09 ; CSDPS425.B2 272.59,342.9 ; 265.89,81.28 D122.B14 ; D122.B14 266.7,80.47 ; D122.B14 267.51,81.28 ; D122.B14 266.7,82.09 ; D131.B2 88.9,61.77 ; D131.B2 88.09,60.96 ; D131.B2 88.9,60.15 ; D131.B2 89.71,60.96 ; 414.02,55.07 D107.A14 ; D107.A14 413.21,55.88 ; D107.A14 414.02,56.69 ; D107.A14 414.83,55.88 ; 38.1,98.25 D125.B11 ; D125.B11 38.91,99.06 ; D125.B11 38.1,99.87 ; D125.B11 37.29,99.06 ; D318.B9 180.34,69.29 ; D318.B9 180.34,67.87 ; D318.B9 179.63,68.58 ; D318.B9 181.05,68.58 ; 180.34,380.19 D431.B9 ; D431.B9 179.53,381 ; D431.B9 181.15,381 ; D431.B9 180.34,381.81 ; SITE3.G8 249.81,187.93 ; SITE3.G8 249.33,188.41 ; SITE3.G8 248.85,187.93 ; SITE3.G8 249.33,187.45 ; 22.05,93.98 D125.A5 ; D125.A5 22.86,94.79 ; D125.A5 23.67,93.98 ; D125.A5 22.86,93.17 ; D305.A7 396.24,84.53 ; D305.A7 395.53,83.82 ; D305.A7 396.24,83.11 ; D305.A7 396.95,83.82 ; 180.34,37.29 D120.B9 ; D120.B9 179.53,38.1 ; D120.B9 181.15,38.1 ; D120.B9 180.34,38.91 ; D317.A10 182.88,87.07 ; D317.A10 182.17,86.36 ; D317.A10 183.59,86.36 ; D317.A10 182.88,85.65 ; D301.B13 338.53,88.9 ; D301.B13 337.11,88.9 ; D301.B13 337.82,89.61 ; D301.B13 337.82,88.19 ; D305.A2 384.25,86.36 ; D305.A2 383.54,85.65 ; D305.A2 382.83,86.36 ; D305.A2 383.54,87.07 ; D130.A4 93.98,77.01 ; D130.A4 94.79,76.2 ; D130.A4 93.98,75.39 ; D130.A4 93.17,76.2 ; 322.58,37.29 D104.B7 ; D104.B7 321.77,38.1 ; D104.B7 322.58,38.91 ; D104.B7 323.39,38.1 ; 170.18,32.21 D120.A5 ; D120.A5 170.99,33.02 ; D120.A5 170.18,33.83 ; D120.A5 169.37,33.02 ; 167.64,60.15 D119.B4 ; D119.B4 167.64,61.77 ; D119.B4 166.83,60.96 ; D119.B4 168.45,60.96